# KiCad board panel.kicad_pcb
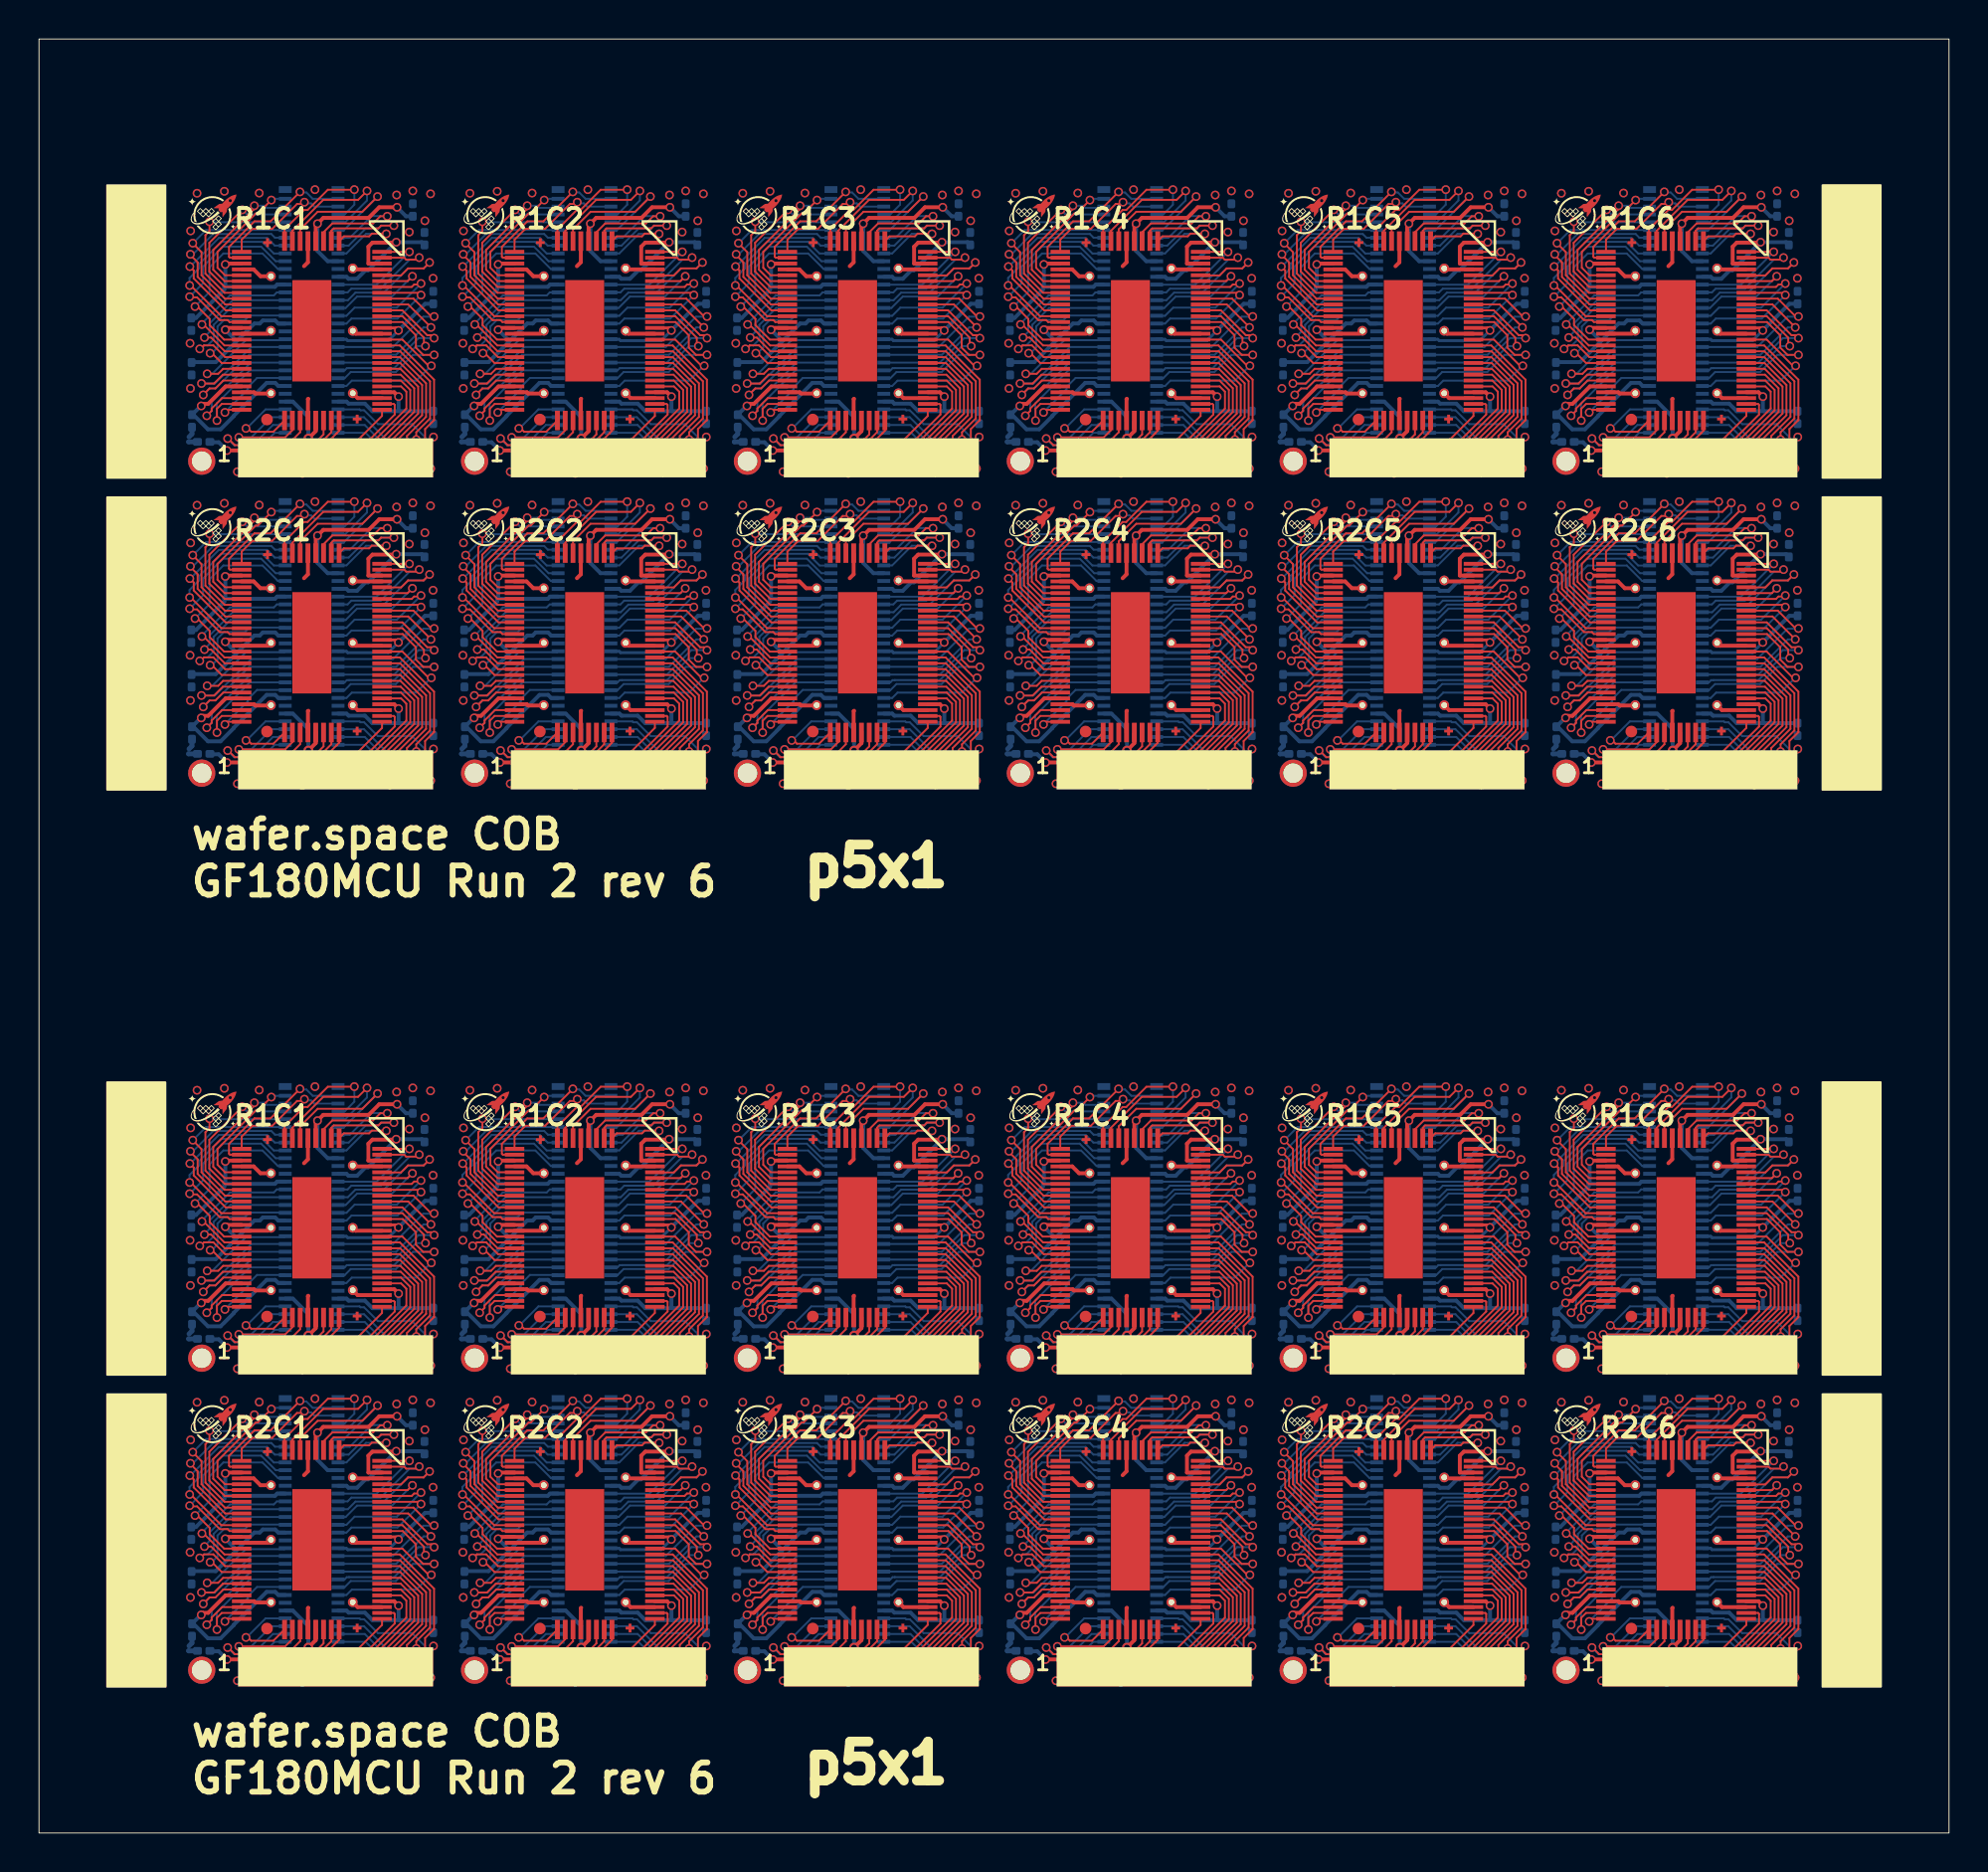
[diagram p0: board, top side]
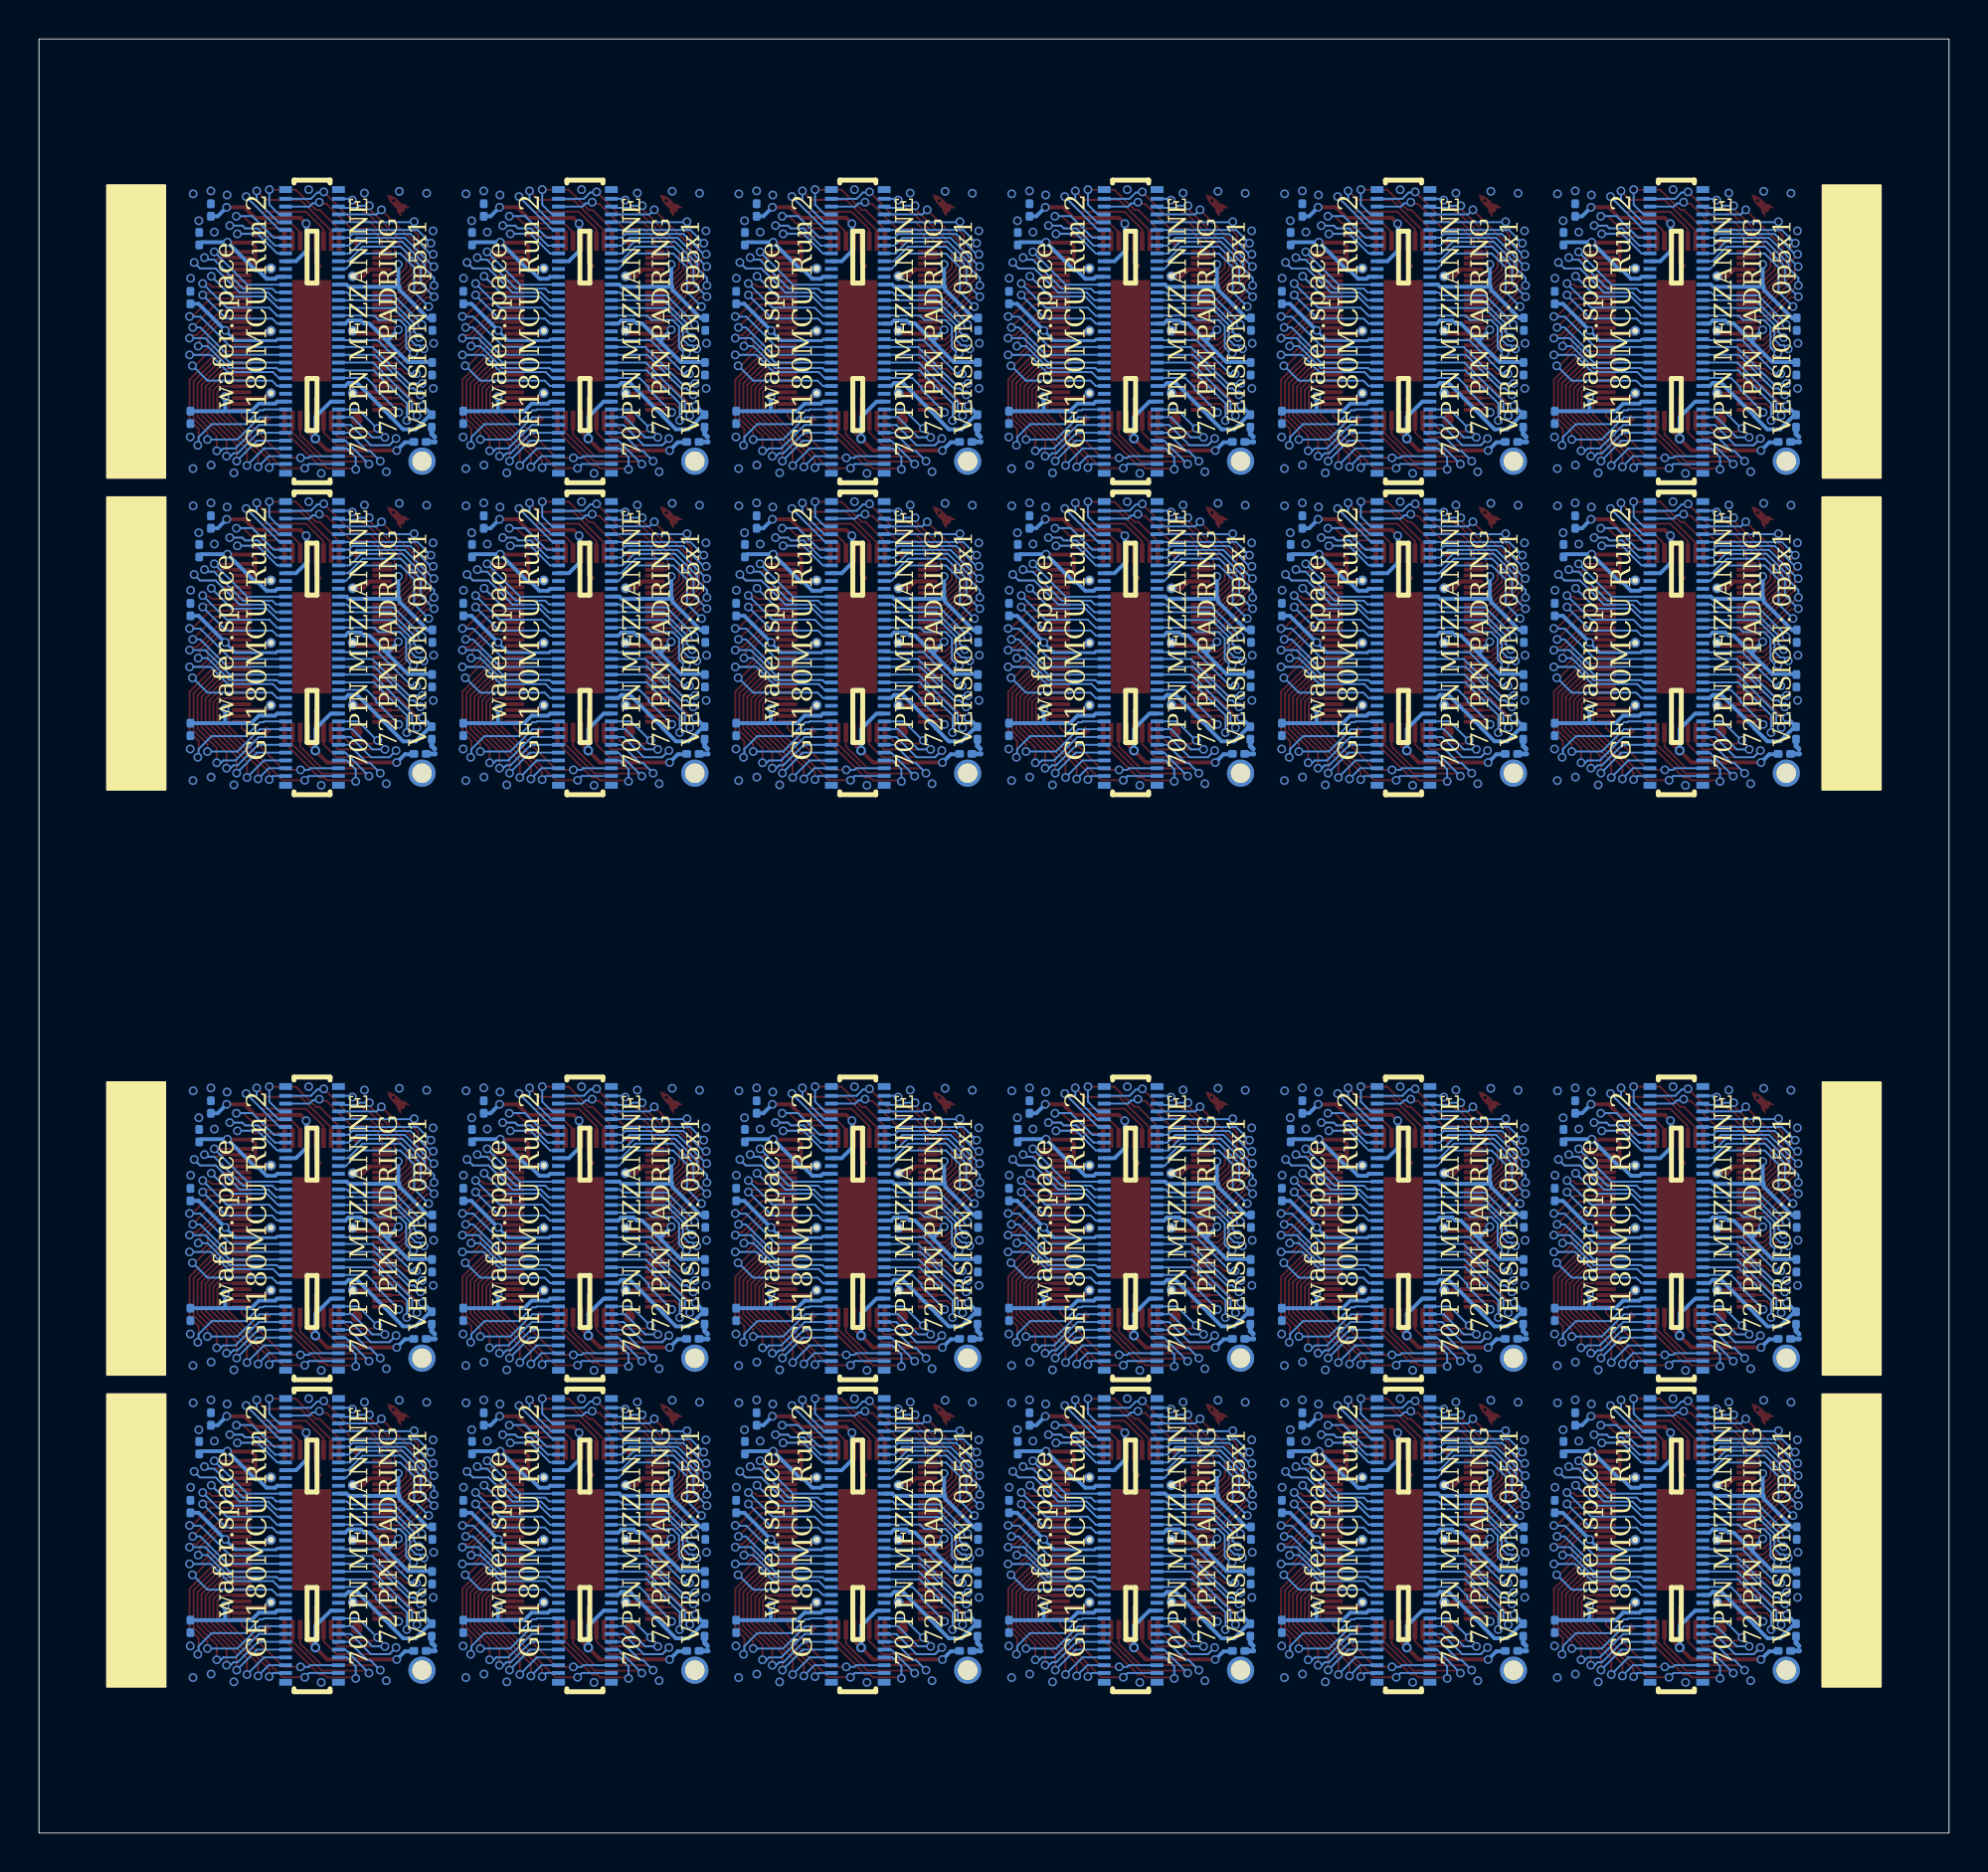
[diagram p1: board, bottom side, seen from below]

Outline 98 x 92 mm; copper layers: Top, In1.Cu, In2.Cu, Bottom. Coordinates in mm from the lower left corner of the outline.
Outline path: rectangle 0,92 98,0
Stack: Top 0.0175mm / dielectric 0.692mm FR4 er 4.5 / In1.Cu 0.035mm / dielectric 0.1957mm FR4 er 4.5 / In2.Cu 0.035mm / dielectric 0.1957mm FR4 er 4.5 / Bottom 0.0175mm

## Placement (name value [footprint] x y rotation side)
C101  C_Small  [C_0201_0603Metric]  19.18 37.23 90 bottom
C101#2  C_Small  [C_0201_0603Metric]  19.18 83.23 90 bottom
C102  C_Small  [C_0201_0603Metric]  8.45 25.34 180 bottom
C102#2  C_Small  [C_0201_0603Metric]  8.45 71.34 180 bottom
C103  C_Small  [C_0201_0603Metric]  19.78 81.76 90 bottom
C103#2  C_Small  [C_0201_0603Metric]  19.78 35.76 90 bottom
C104  C_Small  [C_0201_0603Metric]  7.85 26.41 270 bottom
C104#2  C_Small  [C_0201_0603Metric]  7.85 72.41 270 bottom
C105  C_Small  [C_0201_0603Metric]  20.23 78.74 90 bottom
C105#2  C_Small  [C_0201_0603Metric]  20.23 32.74 90 bottom
C106  C_Small  [C_0201_0603Metric]  7.83 75.09 270 bottom
C106#2  C_Small  [C_0201_0603Metric]  7.83 29.09 270 bottom
C107  C_Small  [C_0201_0603Metric]  20.23 26.6 270 bottom
C107#2  C_Small  [C_0201_0603Metric]  20.23 72.59 270 bottom
C108  C_Small  [C_0201_0603Metric]  7.81 31.38 270 bottom
C108#2  C_Small  [C_0201_0603Metric]  7.81 77.38 270 bottom
C109  C_Small  [C_0201_0603Metric]  33.18 37.23 90 bottom
C109#2  C_Small  [C_0201_0603Metric]  33.18 83.23 90 bottom
C110  C_Small  [C_0201_0603Metric]  22.45 71.34 180 bottom
C110#2  C_Small  [C_0201_0603Metric]  22.45 25.34 180 bottom
C111  C_Small  [C_0201_0603Metric]  33.78 35.76 90 bottom
C111#2  C_Small  [C_0201_0603Metric]  33.78 81.76 90 bottom
C112  C_Small  [C_0201_0603Metric]  21.85 72.41 270 bottom
C112#2  C_Small  [C_0201_0603Metric]  21.85 26.41 270 bottom
C113  C_Small  [C_0201_0603Metric]  34.23 32.74 90 bottom
C113#2  C_Small  [C_0201_0603Metric]  34.23 78.74 90 bottom
C114  C_Small  [C_0201_0603Metric]  21.83 29.09 270 bottom
C114#2  C_Small  [C_0201_0603Metric]  21.83 75.09 270 bottom
C115  C_Small  [C_0201_0603Metric]  34.23 26.6 270 bottom
C115#2  C_Small  [C_0201_0603Metric]  34.23 72.59 270 bottom
C116  C_Small  [C_0201_0603Metric]  21.81 31.38 270 bottom
C116#2  C_Small  [C_0201_0603Metric]  21.81 77.38 270 bottom
C117  C_Small  [C_0201_0603Metric]  47.18 37.23 90 bottom
C117#2  C_Small  [C_0201_0603Metric]  47.18 83.23 90 bottom
C118  C_Small  [C_0201_0603Metric]  36.45 25.34 180 bottom
C118#2  C_Small  [C_0201_0603Metric]  36.45 71.34 180 bottom
C119  C_Small  [C_0201_0603Metric]  47.78 35.76 90 bottom
C119#2  C_Small  [C_0201_0603Metric]  47.78 81.76 90 bottom
C120  C_Small  [C_0201_0603Metric]  35.85 72.41 270 bottom
C120#2  C_Small  [C_0201_0603Metric]  35.85 26.41 270 bottom
C121  C_Small  [C_0201_0603Metric]  48.23 32.74 90 bottom
C121#2  C_Small  [C_0201_0603Metric]  48.23 78.74 90 bottom
C122  C_Small  [C_0201_0603Metric]  35.83 75.09 270 bottom
C122#2  C_Small  [C_0201_0603Metric]  35.83 29.09 270 bottom
C123  C_Small  [C_0201_0603Metric]  48.23 26.6 270 bottom
C123#2  C_Small  [C_0201_0603Metric]  48.23 72.59 270 bottom
C124  C_Small  [C_0201_0603Metric]  35.81 31.38 270 bottom
C124#2  C_Small  [C_0201_0603Metric]  35.81 77.38 270 bottom
C125  C_Small  [C_0201_0603Metric]  61.18 37.23 90 bottom
C125#2  C_Small  [C_0201_0603Metric]  61.18 83.23 90 bottom
C126  C_Small  [C_0201_0603Metric]  50.45 25.34 180 bottom
C126#2  C_Small  [C_0201_0603Metric]  50.45 71.34 180 bottom
C127  C_Small  [C_0201_0603Metric]  61.78 35.76 90 bottom
C127#2  C_Small  [C_0201_0603Metric]  61.78 81.76 90 bottom
C128  C_Small  [C_0201_0603Metric]  49.85 26.41 270 bottom
C128#2  C_Small  [C_0201_0603Metric]  49.85 72.41 270 bottom
C129  C_Small  [C_0201_0603Metric]  62.23 32.74 90 bottom
C129#2  C_Small  [C_0201_0603Metric]  62.23 78.74 90 bottom
C130  C_Small  [C_0201_0603Metric]  49.83 29.09 270 bottom
C130#2  C_Small  [C_0201_0603Metric]  49.83 75.09 270 bottom
C131  C_Small  [C_0201_0603Metric]  62.23 72.59 270 bottom
C131#2  C_Small  [C_0201_0603Metric]  62.23 26.6 270 bottom
C132  C_Small  [C_0201_0603Metric]  49.81 31.38 270 bottom
C132#2  C_Small  [C_0201_0603Metric]  49.81 77.38 270 bottom
C133  C_Small  [C_0201_0603Metric]  75.18 83.23 90 bottom
C133#2  C_Small  [C_0201_0603Metric]  75.18 37.23 90 bottom
C134  C_Small  [C_0201_0603Metric]  64.45 71.34 180 bottom
C134#2  C_Small  [C_0201_0603Metric]  64.45 25.34 180 bottom
C135  C_Small  [C_0201_0603Metric]  75.78 81.76 90 bottom
C135#2  C_Small  [C_0201_0603Metric]  75.78 35.76 90 bottom
C136  C_Small  [C_0201_0603Metric]  63.85 72.41 270 bottom
C136#2  C_Small  [C_0201_0603Metric]  63.85 26.41 270 bottom
C137  C_Small  [C_0201_0603Metric]  76.23 78.74 90 bottom
C137#2  C_Small  [C_0201_0603Metric]  76.23 32.74 90 bottom
C138  C_Small  [C_0201_0603Metric]  63.83 29.09 270 bottom
C138#2  C_Small  [C_0201_0603Metric]  63.83 75.09 270 bottom
C139  C_Small  [C_0201_0603Metric]  76.23 72.59 270 bottom
C139#2  C_Small  [C_0201_0603Metric]  76.23 26.6 270 bottom
C140  C_Small  [C_0201_0603Metric]  63.81 77.38 270 bottom
C140#2  C_Small  [C_0201_0603Metric]  63.81 31.38 270 bottom
C141  C_Small  [C_0201_0603Metric]  89.18 37.23 90 bottom
C141#2  C_Small  [C_0201_0603Metric]  89.18 83.23 90 bottom
C142  C_Small  [C_0201_0603Metric]  78.45 25.34 180 bottom
C142#2  C_Small  [C_0201_0603Metric]  78.45 71.34 180 bottom
C143  C_Small  [C_0201_0603Metric]  89.78 81.76 90 bottom
C143#2  C_Small  [C_0201_0603Metric]  89.78 35.76 90 bottom
C144  C_Small  [C_0201_0603Metric]  77.85 26.41 270 bottom
C144#2  C_Small  [C_0201_0603Metric]  77.85 72.41 270 bottom
C145  C_Small  [C_0201_0603Metric]  90.23 78.74 90 bottom
C145#2  C_Small  [C_0201_0603Metric]  90.23 32.74 90 bottom
C146  C_Small  [C_0201_0603Metric]  77.83 75.09 270 bottom
C146#2  C_Small  [C_0201_0603Metric]  77.83 29.09 270 bottom
C147  C_Small  [C_0201_0603Metric]  90.23 26.6 270 bottom
C147#2  C_Small  [C_0201_0603Metric]  90.23 72.59 270 bottom
C148  C_Small  [C_0201_0603Metric]  77.82 31.38 270 bottom
C148#2  C_Small  [C_0201_0603Metric]  77.82 77.38 270 bottom
C149  C_Small  [C_0201_0603Metric]  19.18 21.23 90 bottom
C149#2  C_Small  [C_0201_0603Metric]  19.18 67.23 90 bottom
C150  C_Small  [C_0201_0603Metric]  8.45 9.34 180 bottom
C150#2  C_Small  [C_0201_0603Metric]  8.45 55.34 180 bottom
C151  C_Small  [C_0201_0603Metric]  19.78 65.76 90 bottom
C151#2  C_Small  [C_0201_0603Metric]  19.78 19.76 90 bottom
C152  C_Small  [C_0201_0603Metric]  7.85 10.41 270 bottom
C152#2  C_Small  [C_0201_0603Metric]  7.85 56.41 270 bottom
C153  C_Small  [C_0201_0603Metric]  20.23 62.74 90 bottom
C153#2  C_Small  [C_0201_0603Metric]  20.23 16.74 90 bottom
C154  C_Small  [C_0201_0603Metric]  7.83 13.09 270 bottom
C154#2  C_Small  [C_0201_0603Metric]  7.83 59.09 270 bottom
C155  C_Small  [C_0201_0603Metric]  20.23 56.6 270 bottom
C155#2  C_Small  [C_0201_0603Metric]  20.23 10.6 270 bottom
C156  C_Small  [C_0201_0603Metric]  7.81 61.38 270 bottom
C156#2  C_Small  [C_0201_0603Metric]  7.81 15.38 270 bottom
C157  C_Small  [C_0201_0603Metric]  33.18 67.23 90 bottom
C157#2  C_Small  [C_0201_0603Metric]  33.18 21.23 90 bottom
C158  C_Small  [C_0201_0603Metric]  22.45 55.34 180 bottom
C158#2  C_Small  [C_0201_0603Metric]  22.45 9.34 180 bottom
C159  C_Small  [C_0201_0603Metric]  33.78 19.76 90 bottom
C159#2  C_Small  [C_0201_0603Metric]  33.78 65.76 90 bottom
C160  C_Small  [C_0201_0603Metric]  21.85 10.41 270 bottom
C160#2  C_Small  [C_0201_0603Metric]  21.85 56.41 270 bottom
C161  C_Small  [C_0201_0603Metric]  34.23 16.74 90 bottom
C161#2  C_Small  [C_0201_0603Metric]  34.23 62.74 90 bottom
C162  C_Small  [C_0201_0603Metric]  21.83 59.09 270 bottom
C162#2  C_Small  [C_0201_0603Metric]  21.83 13.09 270 bottom
C163  C_Small  [C_0201_0603Metric]  34.23 56.6 270 bottom
C163#2  C_Small  [C_0201_0603Metric]  34.23 10.6 270 bottom
C164  C_Small  [C_0201_0603Metric]  21.81 15.38 270 bottom
C164#2  C_Small  [C_0201_0603Metric]  21.81 61.38 270 bottom
C165  C_Small  [C_0201_0603Metric]  47.18 67.23 90 bottom
C165#2  C_Small  [C_0201_0603Metric]  47.18 21.23 90 bottom
C166  C_Small  [C_0201_0603Metric]  36.45 9.34 180 bottom
C166#2  C_Small  [C_0201_0603Metric]  36.45 55.34 180 bottom
C167  C_Small  [C_0201_0603Metric]  47.78 65.76 90 bottom
C167#2  C_Small  [C_0201_0603Metric]  47.78 19.76 90 bottom
C168  C_Small  [C_0201_0603Metric]  35.85 10.41 270 bottom
C168#2  C_Small  [C_0201_0603Metric]  35.85 56.41 270 bottom
C169  C_Small  [C_0201_0603Metric]  48.23 62.74 90 bottom
C169#2  C_Small  [C_0201_0603Metric]  48.23 16.74 90 bottom
C170  C_Small  [C_0201_0603Metric]  35.83 59.09 270 bottom
C170#2  C_Small  [C_0201_0603Metric]  35.83 13.09 270 bottom
C171  C_Small  [C_0201_0603Metric]  48.23 56.6 270 bottom
C171#2  C_Small  [C_0201_0603Metric]  48.23 10.6 270 bottom
C172  C_Small  [C_0201_0603Metric]  35.81 15.38 270 bottom
C172#2  C_Small  [C_0201_0603Metric]  35.81 61.38 270 bottom
C173  C_Small  [C_0201_0603Metric]  61.18 67.23 90 bottom
C173#2  C_Small  [C_0201_0603Metric]  61.18 21.23 90 bottom
C174  C_Small  [C_0201_0603Metric]  50.45 9.34 180 bottom
C174#2  C_Small  [C_0201_0603Metric]  50.45 55.34 180 bottom
C175  C_Small  [C_0201_0603Metric]  61.78 19.76 90 bottom
C175#2  C_Small  [C_0201_0603Metric]  61.78 65.76 90 bottom
C176  C_Small  [C_0201_0603Metric]  49.85 56.41 270 bottom
C176#2  C_Small  [C_0201_0603Metric]  49.85 10.41 270 bottom
C177  C_Small  [C_0201_0603Metric]  62.23 16.74 90 bottom
C177#2  C_Small  [C_0201_0603Metric]  62.23 62.74 90 bottom
C178  C_Small  [C_0201_0603Metric]  49.83 59.09 270 bottom
C178#2  C_Small  [C_0201_0603Metric]  49.83 13.09 270 bottom
C179  C_Small  [C_0201_0603Metric]  62.23 10.6 270 bottom
C179#2  C_Small  [C_0201_0603Metric]  62.23 56.6 270 bottom
C180  C_Small  [C_0201_0603Metric]  49.81 61.38 270 bottom
C180#2  C_Small  [C_0201_0603Metric]  49.81 15.38 270 bottom
C181  C_Small  [C_0201_0603Metric]  75.18 21.23 90 bottom
C181#2  C_Small  [C_0201_0603Metric]  75.18 67.23 90 bottom
C182  C_Small  [C_0201_0603Metric]  64.45 9.34 180 bottom
C182#2  C_Small  [C_0201_0603Metric]  64.45 55.34 180 bottom
C183  C_Small  [C_0201_0603Metric]  75.78 65.76 90 bottom
C183#2  C_Small  [C_0201_0603Metric]  75.78 19.76 90 bottom
C184  C_Small  [C_0201_0603Metric]  63.85 56.41 270 bottom
C184#2  C_Small  [C_0201_0603Metric]  63.85 10.41 270 bottom
C185  C_Small  [C_0201_0603Metric]  76.23 62.74 90 bottom
C185#2  C_Small  [C_0201_0603Metric]  76.23 16.74 90 bottom
C186  C_Small  [C_0201_0603Metric]  63.83 13.09 270 bottom
C186#2  C_Small  [C_0201_0603Metric]  63.83 59.09 270 bottom
C187  C_Small  [C_0201_0603Metric]  76.23 56.6 270 bottom
C187#2  C_Small  [C_0201_0603Metric]  76.23 10.6 270 bottom
C188  C_Small  [C_0201_0603Metric]  63.81 15.38 270 bottom
C188#2  C_Small  [C_0201_0603Metric]  63.81 61.38 270 bottom
C189  C_Small  [C_0201_0603Metric]  89.18 21.23 90 bottom
C189#2  C_Small  [C_0201_0603Metric]  89.18 67.23 90 bottom
C190  C_Small  [C_0201_0603Metric]  78.45 9.34 180 bottom
C190#2  C_Small  [C_0201_0603Metric]  78.45 55.34 180 bottom
C191  C_Small  [C_0201_0603Metric]  89.78 65.76 90 bottom
C191#2  C_Small  [C_0201_0603Metric]  89.78 19.76 90 bottom
C192  C_Small  [C_0201_0603Metric]  77.85 56.41 270 bottom
C192#2  C_Small  [C_0201_0603Metric]  77.85 10.41 270 bottom
C193  C_Small  [C_0201_0603Metric]  90.23 62.74 90 bottom
C193#2  C_Small  [C_0201_0603Metric]  90.23 16.74 90 bottom
C194  C_Small  [C_0201_0603Metric]  77.83 59.09 270 bottom
C194#2  C_Small  [C_0201_0603Metric]  77.83 13.09 270 bottom
C195  C_Small  [C_0201_0603Metric]  90.23 56.6 270 bottom
C195#2  C_Small  [C_0201_0603Metric]  90.23 10.6 270 bottom
C196  C_Small  [C_0201_0603Metric]  77.82 61.38 270 bottom
C196#2  C_Small  [C_0201_0603Metric]  77.82 15.38 270 bottom
G***  LOGO  [waferspace_pin1_silk]  8.95 83.1 0 top
G***1  LOGO  [ws_top_arrow]  31.84 35.77 0 top
G***1#2  LOGO  [ws_top_arrow]  31.84 81.77 0 top
G***2  LOGO  [waferspace_pin1_silk]  22.95 37.1 0 top
G***2#2  LOGO  [waferspace_pin1_silk]  22.95 83.1 0 top
G***3  LOGO  [ws_top_arrow]  45.84 35.77 0 top
G***3#2  LOGO  [ws_top_arrow]  45.84 81.77 0 top
G***4  LOGO  [waferspace_pin1_silk]  36.95 83.1 0 top
G***4#2  LOGO  [waferspace_pin1_silk]  36.95 37.1 0 top
G***5  LOGO  [ws_top_arrow]  59.84 35.77 0 top
G***5#2  LOGO  [ws_top_arrow]  59.84 81.77 0 top
G***6  LOGO  [waferspace_pin1_silk]  50.95 37.1 0 top
G***6#2  LOGO  [waferspace_pin1_silk]  50.95 83.1 0 top
G***7  LOGO  [ws_top_arrow]  73.84 81.77 0 top
G***7#2  LOGO  [ws_top_arrow]  73.84 35.77 0 top
G***8  LOGO  [waferspace_pin1_silk]  64.95 37.1 0 top
G***8#2  LOGO  [waferspace_pin1_silk]  64.95 83.1 0 top
G***9  LOGO  [ws_top_arrow]  87.84 35.77 0 top
G***9#2  LOGO  [ws_top_arrow]  87.84 81.77 0 top
G***10  LOGO  [waferspace_pin1_silk]  78.95 37.1 0 top
G***10#2  LOGO  [waferspace_pin1_silk]  78.95 83.1 0 top
G***11  LOGO  [ws_top_arrow]  17.84 65.77 0 top
G***11#2  LOGO  [ws_top_arrow]  17.84 19.77 0 top
G***12  LOGO  [waferspace_pin1_silk]  8.95 67.1 0 top
G***12#2  LOGO  [waferspace_pin1_silk]  8.95 21.1 0 top
G***13  LOGO  [ws_top_arrow]  31.84 65.77 0 top
G***13#2  LOGO  [ws_top_arrow]  31.84 19.77 0 top
G***14  LOGO  [waferspace_pin1_silk]  22.95 67.1 0 top
G***14#2  LOGO  [waferspace_pin1_silk]  22.95 21.1 0 top
G***15  LOGO  [ws_top_arrow]  45.84 65.77 0 top
G***15#2  LOGO  [ws_top_arrow]  45.84 19.77 0 top
G***16  LOGO  [waferspace_pin1_silk]  36.95 67.1 0 top
G***16#2  LOGO  [waferspace_pin1_silk]  36.95 21.1 0 top
G***17  LOGO  [ws_top_arrow]  59.84 65.77 0 top
G***17#2  LOGO  [ws_top_arrow]  59.84 19.77 0 top
G***18  LOGO  [waferspace_pin1_silk]  50.95 67.1 0 top
G***18#2  LOGO  [waferspace_pin1_silk]  50.95 21.1 0 top
G***19  LOGO  [ws_top_arrow]  73.84 65.77 0 top
G***19#2  LOGO  [ws_top_arrow]  73.84 19.77 0 top
G***20  LOGO  [waferspace_pin1_silk]  64.95 21.1 0 top
G***20#2  LOGO  [waferspace_pin1_silk]  64.95 67.1 0 top
G***21  LOGO  [ws_top_arrow]  87.84 65.77 0 top
G***21#2  LOGO  [ws_top_arrow]  87.84 19.77 0 top
G***22  LOGO  [waferspace_pin1_silk]  78.95 21.1 0 top
G***22#2  LOGO  [waferspace_pin1_silk]  78.95 67.1 0 top
G***#2  LOGO  [ws_top_arrow]  17.84 35.77 0 top
G***#3  LOGO  [ws_top_arrow]  17.84 81.77 0 top
G***#4  LOGO  [waferspace_pin1_silk]  8.95 37.1 0 top
J1  Conn_01x01  [pin1_fiducial]  8.35 24.35 0 top
J1#2  Conn_01x01  [pin1_fiducial]  8.35 70.35 0 top
J2  Conn_01x01  [pin1_fiducial]  22.35 24.35 0 top
J2#2  Conn_01x01  [pin1_fiducial]  22.35 70.35 0 top
J3  Conn_01x01  [pin1_fiducial]  36.35 24.35 0 top
J3#2  Conn_01x01  [pin1_fiducial]  36.35 70.35 0 top
J4  Conn_01x01  [pin1_fiducial]  50.35 70.35 0 top
J4#2  Conn_01x01  [pin1_fiducial]  50.35 24.35 0 top
J5  Conn_01x01  [pin1_fiducial]  64.35 70.35 0 top
J5#2  Conn_01x01  [pin1_fiducial]  64.35 24.35 0 top
J6  Conn_01x01  [pin1_fiducial]  78.35 24.35 0 top
J6#2  Conn_01x01  [pin1_fiducial]  78.35 70.35 0 top
J7  Conn_01x01  [pin1_fiducial]  8.35 54.35 0 top
J7#2  Conn_01x01  [pin1_fiducial]  8.35 8.35 0 top
J8  Conn_01x01  [pin1_fiducial]  22.35 8.35 0 top
J8#2  Conn_01x01  [pin1_fiducial]  22.35 54.35 0 top
J9  Conn_01x01  [pin1_fiducial]  36.35 8.35 0 top
J9#2  Conn_01x01  [pin1_fiducial]  36.35 54.35 0 top
J10  Conn_01x01  [pin1_fiducial]  50.35 8.35 0 top
J10#2  Conn_01x01  [pin1_fiducial]  50.35 54.35 0 top
J11  Conn_01x01  [pin1_fiducial]  64.35 8.35 0 top
J11#2  Conn_01x01  [pin1_fiducial]  64.35 54.35 0 top
J12  Conn_01x01  [pin1_fiducial]  78.35 8.35 0 top
J12#2  Conn_01x01  [pin1_fiducial]  78.35 54.35 0 top
U101  ~  [CONN-SMD_70P-P0.40_HCTL_HC-PBB40C-70DP-0.4V-02]  13.99 31.01 90 bottom
U101#2  ~  [CONN-SMD_70P-P0.40_HCTL_HC-PBB40C-70DP-0.4V-02]  13.99 77.01 90 bottom
U102  ~  [waferspace_p5x1_padring_v0.2]  14 77.04 180 top
U102#2  ~  [waferspace_p5x1_padring_v0.2]  14 31.04 180 top
U103  ~  [CONN-SMD_70P-P0.40_HCTL_HC-PBB40C-70DP-0.4V-02]  27.99 31.01 90 bottom
U103#2  ~  [CONN-SMD_70P-P0.40_HCTL_HC-PBB40C-70DP-0.4V-02]  27.99 77.01 90 bottom
U104  ~  [waferspace_p5x1_padring_v0.2]  28 77.04 180 top
U104#2  ~  [waferspace_p5x1_padring_v0.2]  28 31.04 180 top
U105  ~  [CONN-SMD_70P-P0.40_HCTL_HC-PBB40C-70DP-0.4V-02]  41.99 77.01 90 bottom
U105#2  ~  [CONN-SMD_70P-P0.40_HCTL_HC-PBB40C-70DP-0.4V-02]  41.99 31.01 90 bottom
U106  ~  [waferspace_p5x1_padring_v0.2]  42 31.04 180 top
U106#2  ~  [waferspace_p5x1_padring_v0.2]  42 77.04 180 top
U107  ~  [CONN-SMD_70P-P0.40_HCTL_HC-PBB40C-70DP-0.4V-02]  55.99 31.01 90 bottom
U107#2  ~  [CONN-SMD_70P-P0.40_HCTL_HC-PBB40C-70DP-0.4V-02]  55.99 77.01 90 bottom
U108  ~  [waferspace_p5x1_padring_v0.2]  56 31.04 180 top
U108#2  ~  [waferspace_p5x1_padring_v0.2]  56 77.04 180 top
U109  ~  [CONN-SMD_70P-P0.40_HCTL_HC-PBB40C-70DP-0.4V-02]  69.99 31.01 90 bottom
U109#2  ~  [CONN-SMD_70P-P0.40_HCTL_HC-PBB40C-70DP-0.4V-02]  69.99 77.01 90 bottom
U110  ~  [waferspace_p5x1_padring_v0.2]  70 77.04 180 top
U110#2  ~  [waferspace_p5x1_padring_v0.2]  70 31.04 180 top
U111  ~  [CONN-SMD_70P-P0.40_HCTL_HC-PBB40C-70DP-0.4V-02]  83.99 31.01 90 bottom
U111#2  ~  [CONN-SMD_70P-P0.40_HCTL_HC-PBB40C-70DP-0.4V-02]  83.99 77.01 90 bottom
U112  ~  [waferspace_p5x1_padring_v0.2]  84 31.04 180 top
U112#2  ~  [waferspace_p5x1_padring_v0.2]  84 77.04 180 top
U113  ~  [CONN-SMD_70P-P0.40_HCTL_HC-PBB40C-70DP-0.4V-02]  13.99 15.01 90 bottom
U113#2  ~  [CONN-SMD_70P-P0.40_HCTL_HC-PBB40C-70DP-0.4V-02]  13.99 61.01 90 bottom
U114  ~  [waferspace_p5x1_padring_v0.2]  14 61.04 180 top
U114#2  ~  [waferspace_p5x1_padring_v0.2]  14 15.04 180 top
U115  ~  [CONN-SMD_70P-P0.40_HCTL_HC-PBB40C-70DP-0.4V-02]  27.99 15.01 90 bottom